# Altium PCB fMAX_MB.PcbDoc (part 5 of 13) (continued)
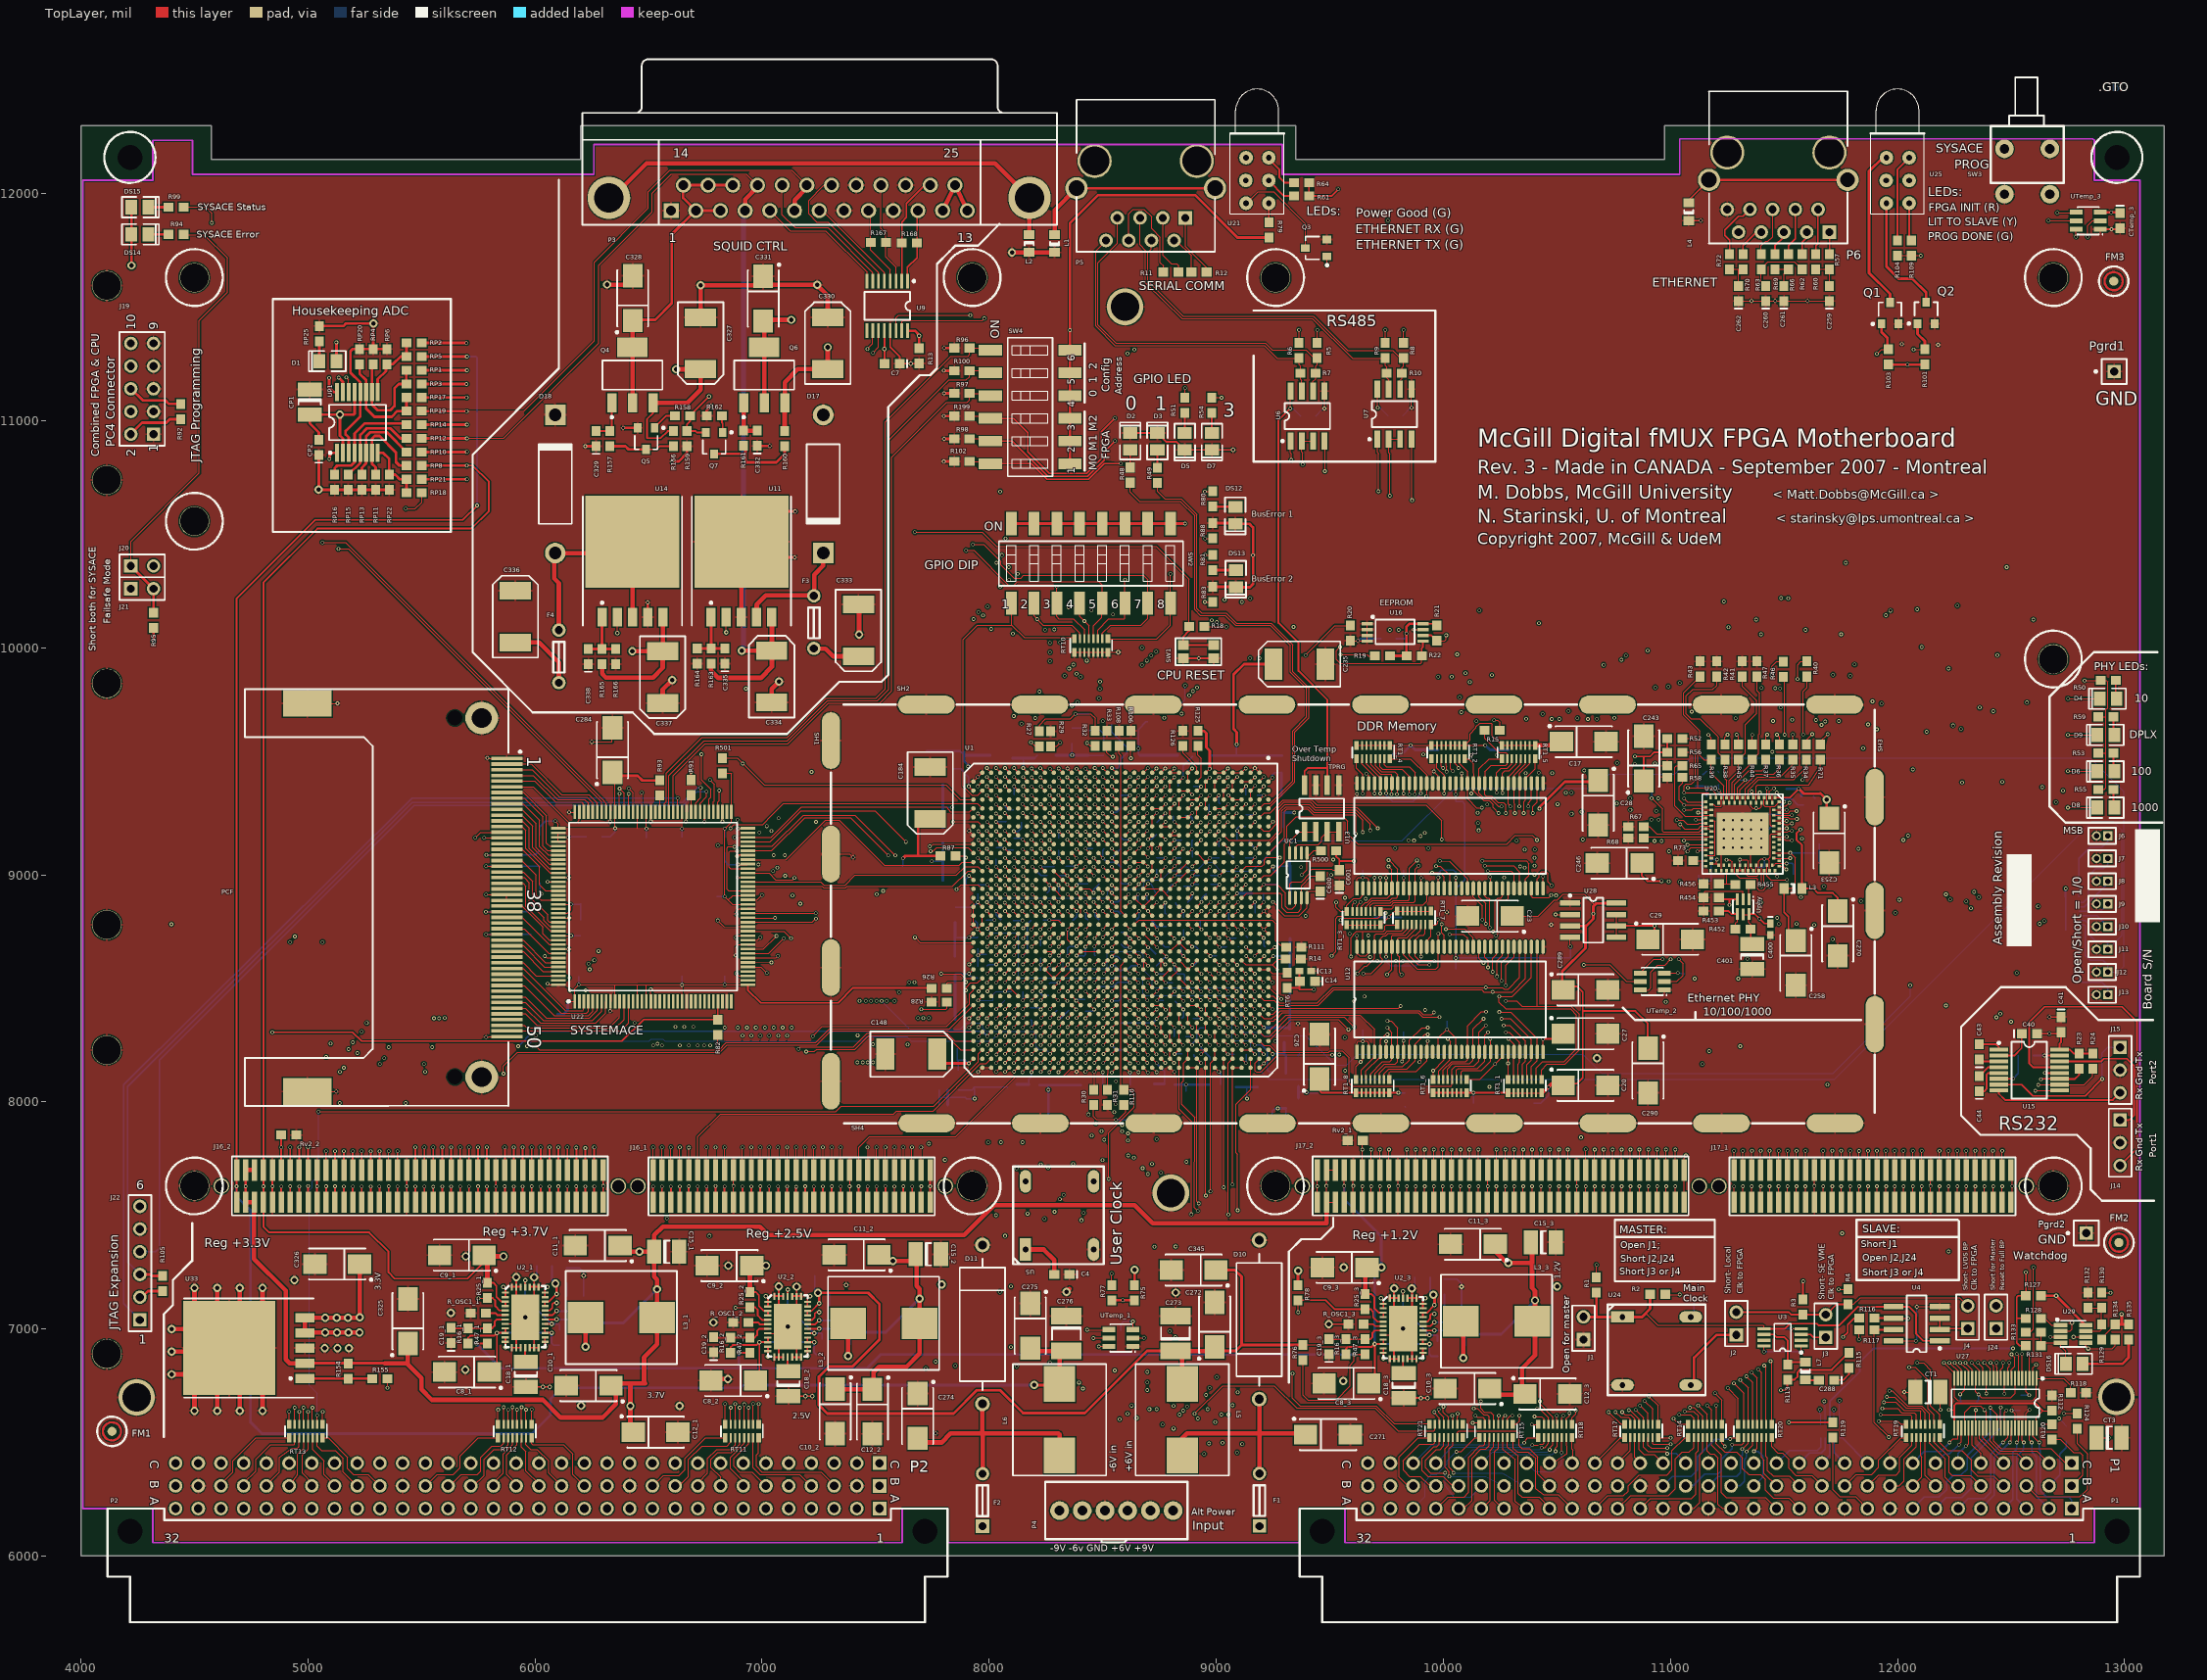
[diagram p0: TopLayer view]
## Nets (pads, with @x,y where several pads share a name; then routed paths per layer and width w, separated by ;. In a path a pad name is that pad's centre, name@x,y a point inside that pad or via, vN(x,y) a via of type N, cw(c..) or ccw(c..) an arc to the next point about the centre after c; other vN are vias at no path point) (continued)
  MidLayer3 w5: v1(7641,8253) v1@7642.76,8253 ; v1@7642.76,8251.24 7666.64,8227.36 7998.03,8227.36 8010.83,8240.16 8010.83,8252.95 8025.59,8267.72 8366.14,8267.72 8384,8285.57 v1(8384,8289)
  MidLayer5 w5: v1(7621.89,7627.89) 7621.89,7699.89 7641,7719 v1(7641,8253)
M1_COMB4_DATA5: J16_1.8 U1.AA30 | length 1256
  TopLayer w5: J16_1.8@7621.89,7700 v1(7621.89,7799.89) ; v1(8424,8289) 8442.2,8307.2 U1.AA30@8442.2,8307.87
  MidLayer3 w5: v1(7621.89,7799.89) 7621.89,7801.02 7660.43,7839.57 8159.45,7839.57 8442.91,8123.03 8442.91,8270.09 v1(8424,8289) v1@8423.6,8289
M1_COMB4_DATA6: J16_1.9 U1.W25 | length 1878.4
  TopLayer w5: J16_1.9@7582.52,7558.27 v1(7582.52,7627.48) ; v1(8503,8487) 8520.72,8504.72 U1.W25@8520.94,8504.72
  MidLayer1 w5: v1(7603,8483) 7629,8509 8481,8509 v1(8503,8487)
  MidLayer5 w5: v1(7582.52,7627.48) 7582.52,7699.52 7603,7720 v1(7603,8483)
M1_COMB4_DATA7: J16_1.10 U1.Y26 | length 1675.8
  TopLayer w5: J16_1.10@7582.52,7700 v1(7583,7800) ; v1(8461,8445) 8481.35,8465.35 U1.Y26@8481.57,8465.35
  MidLayer1 w5: v1(7583,8445) 7583,8456 7593,8466 8440,8466 v1(8461,8445)
  MidLayer5 w5: v1(7583,7800) v1(7583,8445)
M1_COMB4_DATA8: J16_1.11 U1.AE33 | length 1484.8
  TopLayer w5: v1(8267,8172) U1.AE33@8284.72,8189.72
  TopLayer w8: J16_1.11@7543.15,7558.27 v1@7543.15,7627.85
  MidLayer5 w5: v1(7488,8174) 7564,8098 7564,7721 7543,7700 v1(7543,7629)
  MidLayer4 w5: v1(7488,8174) 7488,8158 7493,8153 8248,8153 v1(8267,8172)
M1_COMB4_DATA9: J16_1.12 U1.AE34 | length 1368.5
  TopLayer w5: J16_1.12@7543.15,7700 v1(7543.15,7799.85) ; v1(8265,8131) 8284.39,8150.39 U1.AE34@8284.72,8150.39
  MidLayer3 w5: v1(7465,8174) 7528,8111 8245,8111 v1(8265,8131)
  MidLayer5 w5: v1(7465,8174) 7543.15,8095.85 v1(7543.15,7799.85)
M1_COMB4_DATA10: J16_1.13 U1.AC32 | length 1605.7
  TopLayer w5: v1@8346,8212 8363.13,8229.13 U1.AC32@8363.46,8229.13
  TopLayer w8: J16_1.13@7503.78,7558.27 v1(7503.78,7627.78)
  MidLayer5 w5: v1(7443,8174) 7490,8127 7497.86,8127 7523,8101.86 7523,7719 7503.78,7699.78 v1(7503.78,7627.78)
  MidLayer4 w5: v1(7443,8174) 7461,8192 8326,8192 v1(8346.69,8212.69)
M1_COMB4_DATA11: J16_1.14 U1.AC33 | length 1518.9
  TopLayer w5: J16_1.14@7503.78,7700 v1(7503.78,7799.78) ; v1(8345,8171) 8363.46,8189.46 U1.AC33@8363.46,8189.76
  MidLayer5 w5: v1(7419,8174) 7503.78,8089.22 v1(7503.78,7799.78)
  MidLayer4 w5: v1(7419,8174) 7450,8143 7918,8143 7950,8111 8234,8111 8246,8123 8246,8134 8265,8153 8327,8153 v1(8345,8171)
M1_COMB4_DATA12: J16_1.15 U1.AC29 | length 1745.2
  TopLayer w5: v1(8345,8329) 8363.24,8347.24 U1.AC29@8363.46,8347.24
  TopLayer w8: J16_1.15@7464.41,7558.27 v1(7464.41,7627.41)
  MidLayer5 w5: v1(7464.41,7627.41) 7464.41,7699.59 7485,7720.18 7485,8086 7397,8174 7397,8179 7409,8191 7467,8191 7489,8213 v1(7489,8254)
  MidLayer4 w5: v1(7489,8254) 7489,8287 7511,8309 8325,8309 v1(8345,8329)
M1_COMB4_DATA13: J16_1.16 U1.AC30 | length 1633.2
  TopLayer w5: v1(7464,7800) J16_1.16@7464.41,7700 ; v1(8345,8290) 8362.87,8307.87 U1.AC30@8363.46,8307.87
  MidLayer5 w5: v1(7421,8293) 7387,8259 7387,8169.86 7464,8092.86 v1(7464,7800)
  MidLayer4 w5: v1(7421,8293) 7476,8238 7494.44,8238 7497.44,8241 7583,8241 7612,8270 8325,8270 v1(8345,8290)
M1_COMB4_DATA14: J16_1.17 U1.AD34 | length 1315.4
  TopLayer w5: v1(8305,8131) 8324.09,8150.09 U1.AD34@8324.09,8150.39
  TopLayer w8: J16_1.17@7425.04,7558.27 v1(7425.04,7627.96)
  MidLayer2 w5: v1(7425.04,7627.96) 7406,7647 7406,7804 7418,7816 7613.08,7816 7908.08,8111 8285,8111 v1(8305,8131)
M1_COMB4_DATA15: J16_1.18 U1.AC34 | length 1184.3
  TopLayer w5: J16_1.18@7425.04,7700 7425.04,7799.96 7473.08,7848 7853,7848 8118,8113 8326,8113 U1.AC34@8363.39,8150.39 ; U1.AC34@8363,8151 U1.AC34@8363.39,8150.39 ; U1.AC34@8363.46,8150.39 U1.AC34@8363.39,8150.39
M1_COMB4_S0: J16_1.21 U1.AA26 | length 1891.3
  TopLayer w5: v1(8425,8485) 8442.13,8465.29 8442.2,8465.2 U1.AA26@8442.2,8465.35
  TopLayer w8: J16_1.21@7346.3,7558.27 v1(7346.3,7627.7)
  MidLayer3 w5: v1(7549,8445) 7570,8466 8406,8466 v1(8425,8485)
  MidLayer5 w5: v1@7346.7,7627.7 7366,7647 7366,8262 v1(7549,8445)
  MidLayer6 w5: v1@7549,8443.13 v1(7549,8445)
M1_COMB4_S1: J16_1.22 U1.AE32 | length 1742.2
  TopLayer w5: J16_1.22@7346.3,7700 v1(7346.3,7799.7) ; v1(8268,8212) 8284.72,8228.72 U1.AE32@8284.72,8229.13
  MidLayer5 w5: v1(7346.3,7799.7) 7346.3,7814.8 7356,7824.5 7356,8267.42 7526,8437.42 v1(7526,8445)
  MidLayer6 w5: v1(7526,8445) v1@7526,8447.26
  BottomLayer w5: v1(7526,8445) 7650.5,8320.5 7873.5,8320.5 7901,8348 7958,8348 7972,8334 7972,8324 7986,8310 8191,8310 8207,8294 8207,8244 8220,8231 8249,8231 v1(8268,8212)
M1_DEMODA_DATA0: J16_2.3 U1.T23 | length 3557.7
  TopLayer w5: U1.T23@8639.06,8583.46 8639.06,8582.94 v1(8657,8565)
  TopLayer w8: J16_2.3@6260.63,7558.27 v1(6260.63,7627.63)
  MidLayer1 w5: v1(6280,8664) 8558,8664 v1(8657,8565)
  MidLayer5 w5: v1(6260.63,7627.63) 6260.63,7699.63 6280,7719 v1(6280,8664)
M1_DEMODA_DATA1: J16_2.4 U1.U23 | length 3360.1
  TopLayer w5: U1.U23@8599.69,8583.46 8601.54,8583.46 v1(8620,8565)
  TopLayer w8: J16_2.4@6260.63,7700 v1(6260.63,7799.63)
  MidLayer1 w5: v1(6260.63,8623.63) 6970.37,8623.63 7000,8594 7871,8594 7901,8624 8561,8624 v1(8620,8565)
  MidLayer5 w5: v1(6260.63,7799.63) v1(6260.63,8623.63)
M1_DEMODA_DATA2: J16_2.5 U1.R26 | length 3622
  TopLayer w5: U1.R26@8678.43,8465.35 8678.65,8465.35 v1(8697,8447)
  TopLayer w8: J16_2.5@6221.26,7558.27 v1(6221.26,7627.26)
  MidLayer2 w5: v1(6241,8584) 8630,8584 8637,8577 8637,8560 8650,8547 8664,8547 8678,8533 8678,8477 8697,8458 v1(8697,8447)
  MidLayer5 w5: v1(6221.26,7627.26) 6221.26,7699.74 6241,7719.48 v1(6241,8584)
M1_DEMODA_DATA3: J16_2.6 U1.T26 | length 3267.1
  TopLayer w5: U1.T26@8639.06,8465.35 8639.06,8464.94 v1(8657,8447)
  TopLayer w8: J16_2.6@6221.26,7700 v1(6221.26,7796.74)
  MidLayer2 w5: v1(6223,8491) 6248,8466 8625,8466 v1(8657,8447)
  MidLayer5 w5: v1(6221.26,7796.74) 6221.26,8489.26 v1(6223,8491)
M1_DEMODA_DATA4: J16_2.7 U1.T24 | length 3555.5
  TopLayer w5: U1.T24@8639.06,8544.09 8639.06,8543.94 v1(8658,8525)
  TopLayer w8: J16_2.7@6181.89,7558.27 v1(6181.89,7627.89)
  MidLayer1 w5: v1(6236,8608) 6253,8608 6277,8584 8579,8584 8617,8546 8637,8546 v1(8658,8525)
  MidLayer5 w5: v1(6181.89,7627.89) 6181.89,7699.89 6201,7719 6201,8492 6219,8510 6219,8591 v1(6236,8608)
M1_DEMODA_DATA5: J16_2.8 U1.T25 | length 3431.6
  TopLayer w5: U1.T25@8639.06,8504.72 8639.06,8503.94 v1(8658,8485)
  TopLayer w8: J16_2.8@6181.89,7700 v1(6181.89,7798.89)
  MidLayer2 w5: v1(6151,8546) 8623,8546 8638,8531 8638,8517 8644,8511 v1(8658,8485)
  MidLayer5 w5: v1(6151,8546) 6151,8522 6181.89,8491.11 v1(6181.89,7798.89)
M1_DEMODA_DATA6: J16_2.9 U1.R27 | length 3618.6
  TopLayer w5: U1.R27@8678.43,8425.98 8679.02,8425.98 v1(8698,8407)
  TopLayer w8: J16_2.9@6142.52,7558.27 v1(6142.52,7627.48)
  MidLayer2 w5: v1(6154,8491) 6194,8491 6211,8508 6230,8508 6253,8485 6253,8479 6826,8479 6856,8509 8623,8509 8637,8495 8637,8481 8651,8467 8668,8467 8678,8457 8678,8427 v1(8698,8407)
  MidLayer5 w5: v1(6142.52,7627.48) 6142.52,7699.48 6162,7718.96 6162,8483 v1(6154,8491)
M1_DEMODA_DATA7: J16_2.10 U1.R28 | length 3273.5
  TopLayer w5: U1.R28@8678.43,8386.61 v1(8698,8367)
  TopLayer w8: J16_2.10@6142.52,7700 v1(6142.52,7799.48)
  MidLayer1 w5: v1(6142.52,7799.48) 6142.52,7815.52 6149,7822 7729,7822 v1(7735,7816)
  MidLayer3 w5: v1(7735,8369) 7754,8388 8677,8388 v1(8698,8367)
  MidLayer5 w5: v1(7735,7816) v1(7735,8369)
M1_DEMODA_DATA8: J16_2.11 U1.P29 | length 3659.6
  TopLayer w5: U1.P29@8717.8,8347.24 v1(8737,8328)
  TopLayer w8: J16_2.11@6103.15,7558.27 v1(6103.15,7627.85)
  MidLayer1 w5: v1(6103.15,7627.85) 6103.15,7699.85 6123,7719.7 6123,7826 6129,7832 7761.86,7832 7851.86,7742 8237.57,7742 8244,7735.57 8244,7683 8327,7600 v1(8327,7591)
  MidLayer3 w5: v1(8327,7591) 8510,7591 8717,7798 8717,8308 v1(8737,8328)
M1_DEMODA_DATA9: J16_2.12 U1.R29 | length 3396.6
  TopLayer w5: U1.R29@8678.43,8347.24 8678.76,8347.24 v1(8699,8327)
  TopLayer w8: J16_2.12@6103.15,7700 v1(6103.15,7799.85)
  MidLayer1 w5: v1(6103.15,7799.85) 6103.15,7834.15 6111,7842 7766,7842 7856,7752 8241.72,7752 8260,7733.72 v1(8260,7711)
  MidLayer3 w5: v1(8260,7711) 8615,7711 8676,7772 8676,8304 v1(8699,8327)
M1_DEMODA_DATA10: J16_2.13 U1.N32 | length 4111.4
  TopLayer w5: U1.N32@8757.17,8229.13 8757.17,8228.83 v1(8776,8210)
  TopLayer w8: J16_2.13@6063.78,7558.27 v1(6063.78,7627.78)
  MidLayer1 w5: v1(6063.78,7627.78) 6063.78,7699.78 6084,7720 6084,7845 6091,7852 7770.15,7852 7857.15,7765 8242.86,7765 8279.02,7728.84 8279.02,7662.98 8389,7553 8389,7474 8400,7463 8788,7463 8890,7565 8890,7635 8795,7730 8795,8191 v1(8776,8210)
M1_DEMODA_DATA11: J16_2.14 U1.P32 | length 3655.1
  TopLayer w5: U1.P32@8717.8,8229.13 8717.8,8228.2 v1(8736,8210)
  TopLayer w8: J16_2.14@6063.78,7700 v1(6063.78,7799.78)
  MidLayer1 w5: v1(6063.78,7799.78) 6063.78,7856.78 6069,7862 7774.29,7862 7861.29,7775 8247,7775 8289.02,7732.98 8289.02,7669.98 8406,7553 8406,7525 8399,7518 8399,7486 v1(8406,7479)
  MidLayer5 w5: v1(8406,7479) 8754,7827 8754,8192 v1(8736,8210)
M1_DEMODA_DATA12: J16_2.15 U1.P30 | length 3841.5
  TopLayer w5: U1.P30@8717.8,8307.87 8718.13,8307.87 v1(8737,8289)
  TopLayer w8: J16_2.15@6024.41,7558.27 v1(6024.41,7627.59)
  MidLayer1 w5: v1(6024.41,7627.59) 6024.41,7699.59 6044,7719.18 6044,7867 6049,7872 7778.43,7872 7865.43,7785 8251.43,7785 8299.02,7737.41 8299.02,7676.98 8416,7560 v1@8416,7512
  MidLayer5 w5: v1(8416,7511) 8718,7813 8718,8270 v1(8737,8289)
M1_DEMODA_DATA13: J16_2.16 U1.P31 | length 3724.8
  TopLayer w5: U1.P31@8717.8,8268.5 8717.8,8268.2 v1(8736,8250)
  TopLayer w8: J16_2.16@6024.41,7700 v1(6024.41,7799.59)
  MidLayer1 w5: v1(6024.41,7799.59) 6024.41,7871.41 6035,7882 7782.57,7882 7868.57,7796 8254.57,7796 8309.02,7741.55 8309.02,7682.98 8430.06,7561.94 8631.94,7561.94 v1(8757,7687)
  MidLayer2 w5: v1(8736,8250) 8757,8229 v1(8757,7687)
M1_DEMODA_DATA14: J16_2.17 U1.N33 | length 3799.9
  TopLayer w5: U1.N33@8757.17,8189.76 U1.N33@8757.17,8189.76 v1(8775,8172)
  TopLayer w8: J16_2.17@5985.04,7558.27 v1(5985.04,7627.96)
  MidLayer1 w5: v1(5985.04,7627.96) 5985.04,7699.96 6004,7718.92 6004,7877 6019,7892 7786.72,7892 7872.72,7806 8258.72,7806 8319.02,7745.69 8319.02,7687.98 8435,7572 8612,7572 8759,7719 8759,8156 v1(8775,8172)
M1_DEMODA_DATAX: J16_2.18 U1.P34 | length 3318.2
  TopLayer w5: U1.P34@8717.8,8150.39 8717.8,8150.2 v1(8737,8131)
  TopLayer w8: J16_2.18@5985.04,7700 v1(5985.04,7799.96)
  MidLayer1 w5: v1(5985.04,7799.96) 5985.04,7872.19 6014.85,7902 7790.86,7902 7864.86,7828 7865,7828 7871,7822 v1@7994.93,7822 ; v1(8737,7836.61) v1(8737,8131)
  Power1 w5: v1@7994.93,7822 7994.93,7822.69 8010.83,7838.58 8414.37,7838.58 8438.98,7813.98 8714.36,7813.98 v1(8737,7836.61)
  other v1: 7995.08,7821.85
M1_DEMODA_S0: J16_2.19 U1.R34 | length 3796.1
  TopLayer w5: U1.R34@8678.43,8150.39 8678.61,8150.39 v1(8699,8130)
  TopLayer w8: J16_2.19@5945.67,7558.27 v1(5945.67,7627.67)
  MidLayer1 w5: v1(5945.67,7627.67) 5945.67,7699.67 5965,7719 5965,7866.29 6010.71,7912 7795,7912 7869,7838 8240.86,7838 8329.02,7749.84 8329.02,7692.98 8440,7582 8479,7582 8505,7608 8505,7674 8513,7682 v1(8699,7682)
  MidLayer2 w5: v1(8699,7682) v1(8699,8130)
M1_DEMODA_S1: J16_2.20 U1.R31 | length 3781.7
  TopLayer w5: U1.R31@8678.43,8268.5 8678.5,8268.5 v1(8699,8248)
  TopLayer w8: J16_2.20@5945.67,7700 v1(5945.67,7799.67)
  MidLayer1 w5: v1(5945.67,7799.67) 5945.67,7861.1 6006.57,7922 7801.26,7922 7869,7854 7869.26,7854 7875.26,7848 8245,7848 8339.02,7753.98 8339.02,7698.98 8446,7592 8474,7592 8495,7613 8495,7683 8504,7692 8683,7692 v1(8717,7726)
  MidLayer2 w5: v1(8699,8248) 8717,8230 v1(8717,7726)
M1_DEMODB_DATA0: J16_1.50 U1.AK32 | length 2077.3
  TopLayer w5: J16_1.50@6795.12,7700 v1(6795.12,7799.88) ; v1(8070,8212) 8087.13,8229.13 U1.AK32@8087.87,8229.13
  Power3 w5: v1@8070,8211.73 v1(8070,8212)
  MidLayer3 w5: v1(6744.1,8248.03) 6881.57,8110.55 7318.23,8110.55 7412.4,8204.72 7518.08,8204.72 7591.8,8131 7912.5,8131 7941.1,8159.61 7995.24,8159.61 8024.61,8188.98 8047.24,8188.98 8070,8211.73 v1(8070,8212)
  MidLayer5 w5: v1@6747,8246 6795.12,8197.88 v1(6795.12,7799.88)
M1_DEMODB_DATA1: J16_1.51 U1.AK33 | length 2245.2
  TopLayer w5: v1(8070,8172) 8087.76,8189.76 U1.AK33@8087.87,8189.76
  TopLayer w8: J16_1.51@6755.75,7558.27 v1(6755.75,7627.75)
  Power1 w5: v1@8069.64,8172 v1(8070,8172)
  MidLayer5 w5: v1@6718,8245 6776,8187 6776,7794 6755.75,7773.75 v1(6755.75,7627.75)
  MidLayer6 w5: v1(6716.53,8248.03) 6716.54,8208.66 6834.65,8090.55 8031.5,8090.55 8051.18,8110.24 8051.18,8153.54 v1@8069.64,8172
M1_DEMODB_DATA2: J16_1.52 U1.AK34 | length 2561.3
  TopLayer w5: J16_1.52@6755.75,7700 v1(6755.75,7799.75) ; v1(8070,8132) 8087.87,8149.87 U1.AK34@8087.87,8150.39
  MidLayer1 w5: v1@6767,7410 8022,7410 8050,7410 v1(8070,7410)
  MidLayer5 w5: v1(6755.75,7799.75) 6736,7780 6736,7441 v1@6767,7410 ; v1(8070,7410) 8070,7697 v1(8070,8132)
  other v1: 6768,7410
M1_DEMODB_DATA3: J16_1.53 U1.AM32 | length 1618.9
  TopLayer w5: v1(7991,8211) U1.AM32@8009.13,8229.13
  TopLayer w8: J16_1.53@6716.38,7558.27 v1(6716.38,7627.62)
  MidLayer4 w5: v1(6716.38,7627.62) 6716.38,7640.59 7278.54,8202.76 7982.76,8202.76 v1(7991,8211)
M1_DEMODB_DATA4: J16_1.54 U1.AM33 | length 1581.5
  TopLayer w5: J16_1.54@6716.38,7700 6716.38,7846.38 6817,7947 7579.87,7947 7592.52,7959.65 7753.94,7959.65 7962,8167.71 7962,8168 7987,8168 8008.76,8189.76 U1.AM33@8009.13,8189.76
M1_DEMODB_DATA5: J16_1.55 U1.AJ31 | length 2267.7
  TopLayer w5: v1(8109,8250) 8127.24,8268.24 U1.AJ31@8127.24,8268.5
  TopLayer w8: J16_1.55@6677.01,7558.27 v1(6677.01,7627.99)
  MidLayer5 w5: v1(6677.01,7627.99) 6677.01,7698.99 6697,7718.98 v1@6697,8328
  MidLayer6 w5: v1(6696.85,8330.71) 6758.24,8330.71 6795.28,8330.71 6858.27,8267.72 7188.98,8267.72 7228.35,8228.35 8087.6,8228.35 8109,8249.75 v1(8109,8250)
M1_DEMODB_DATA6: J16_1.56 U1.AJ32 | length 2204.7
  TopLayer w5: J16_1.56@6677.01,7700 v1(6677.01,7798.99) ; v1(8108,8210) 8127.13,8229.13 U1.AJ32@8127.24,8229.13
  MidLayer3 w5: v1@6677.17,8244.09 v1(6677.16,8248.03) 6696.85,8267.72 6811.02,8267.72 6958.19,8120.55 7313.46,8120.55 7408.46,8215.55 7521.39,8215.55 7595.95,8141 7908.35,8141 7936.96,8169.61 7991.09,8169.61 8011.81,8190.32 8011.81,8213.58 8026.57,8228.35 8089.65,8228.35 v1(8108,8210)
  MidLayer5 w5: v1(6677.01,7798.99) v1@6677.01,8246
M1_DEMODB_DATA7: J16_1.57 U1.AB22 | length 2714.6
  TopLayer w5: v1(8385,8605) U1.AB22@8402.83,8622.83
  TopLayer w8: J16_1.57@6637.64,7558.27 v1(6637.64,7627.36)
  MidLayer5 w5: v1(6637.64,7627.36) 6637.64,7679.64 6657,7699 v1@6657,8328
  Gnd3 w5: v1(6657.48,8330.71) 6657.48,8354.33 6728.35,8425.2 6968.5,8425.2 7007.87,8464.57 7401.57,8464.57 7421.26,8484.25 7578.74,8484.25 7602.36,8507.87 8353.35,8507.87 8362.2,8516.73 8362.2,8527.56 8381.89,8547.24 8389.76,8547.24 8401.57,8559.06 8401.57,8588.43 v1(8385,8605)
M1_DEMODB_DATA8: J16_1.58 U1.AB23 | length 2511.3
  TopLayer w5: J16_1.58@6637.64,7700 v1(6637.64,7799.36) ; v1(8385,8566) 8402.46,8583.46 U1.AB23@8402.83,8583.46
  MidLayer5 w5: v1(6637.64,7799.36) 6637.64,8245.64 v1@6638,8246
  Gnd3 w5: v1(6637.8,8248.03) 6637.8,8350.39 6732.28,8444.88 6968.5,8444.88 7007.87,8484.25 7401.57,8484.25 7421.26,8503.94 7578.74,8503.94 7618.11,8543.31 8362.2,8543.31 v1@8385.83,8566.93
M1_DEMODB_DATA9: J16_1.59 U1.AL33 | length 2344.5
  TopLayer w5: v1(8030,8171) 8048.5,8189.5 U1.AL33@8048.5,8189.76
  TopLayer w8: J16_1.59@6598.27,7558.27 v1(6598.27,7627.73)
  MidLayer5 w5: v1(6598.27,7627.73) 6598.27,7680.27 6619,7701 v1@6619,8329
  MidLayer6 w5: v1(6618.11,8330.71) 6618.11,8326.77 6657.48,8287.4 6787.4,8287.4 6974.25,8100.55 7958.82,8100.55 8029.27,8171 v1(8030,8171)
M1_DEMODB_DATA10: J16_1.60 U1.AL34 | length 2534.4
  TopLayer w5: J16_1.60@6598.27,7700 v1(6598.27,7799.73) ; v1(8030,8132) 8048.39,8150.39 U1.AL34@8048.5,8150.39
  MidLayer1 w5: v1@6579,7486 6594,7501 v1(8030,7501)
  MidLayer5 w5: v1(6580,7487) 6580,7781.46 v1(6598.27,7799.73) ; v1(8030,7501) v1(8030,8132)
M1_DEMODB_DATA11: J16_1.61 U1.AM31 | length 2024.7
  TopLayer w5: v1(7992,8251) 8009.13,8268.13 U1.AM31@8009.13,8268.5
  TopLayer w8: J16_1.61@6558.9,7558.27 v1(6558.9,7627.1)
  MidLayer3 w5: v1(6558.9,7627.1) 6558.9,7674.06 6629.84,7745 v1(7805,7745)
  MidLayer5 w5: v1(7805,7745) 7963.43,7903.43 7963.43,8009.02 7934.06,8038.39 7934.06,8194.88 7990.17,8251 v1(7992,8251)
M1_DEMODB_DATA12: J16_1.62 U1.AL31 | length 2152.4
  TopLayer w5: J16_1.62@6558.9,7700 v1(6558.9,7799.9) ; v1(8031,8251) U1.AL31@8048.5,8268.5
  Power1 w5: v1(6559.06,8248.03) 6594.49,8283.46 6818.9,8283.46 6915.2,8379.76 7651.73,8379.76 7681.1,8350.39 7777.92,8350.39 7856.66,8271.65 8011.81,8271.65 8031,8252.46 v1(8031,8251)
  MidLayer5 w5: v1(6558.9,7799.9) v1@6558.9,8246.9
M1_DEMODB_DATA13: J16_1.63 U1.AJ30 | length 2320.1
  TopLayer w5: v1(8110,8290) 8127.24,8307.24 U1.AJ30@8127.24,8307.87
  TopLayer w8: J16_1.63@6519.53,7558.27 v1(6519.53,7627.47)
  Gnd2 w5: v1(6539.37,8255.91) 6539.37,8263.78 6547.24,8271.65 8090.55,8271.65 8108.9,8290 v1(8110,8290)
  MidLayer5 w5: v1(6519.53,7627.47) 6519.53,7679.53 6539,7699 v1(6539.37,8255.91)
M1_DEMODB_DATA14: J16_1.64 U1.AH30 | length 2467.6
  TopLayer w5: J16_1.64@6519.53,7700 v1(6519.53,7799.47) ; v1(8149,8290) 8166.61,8307.61 U1.AH30@8166.61,8307.87
  MidLayer5 w5: v1(6519.53,7799.47) v1@6519.53,8246.47
  Gnd3 w5: v1(6519.69,8248.03) 6618.11,8149.61 8188.98,8149.61 8208.66,8169.29 8208.66,8251.97 8188.98,8271.65 8167.35,8271.65 v1(8149,8290)
M1_DEMODB_DATAX: J16_1.49 U1.AK31 | length 1894.9
  TopLayer w5: v1(8069,8250) 8069.88,8250 U1.AK31@8087.6,8267.72
  TopLayer w8: J16_1.49@6795.12,7558.27 v1(6795.12,7629.88)
  MidLayer5 w5: v1(8051,7822) 8051,8231.12 8069,8249.12 v1(8069,8250)
  MidLayer4 w5: v1(6795.12,7629.88) 6795.12,7675.04 6835.63,7715.55 7944.55,7715.55 v1(8051,7822)
M1_DEMODB_S0: J16_1.47 U1.AF29 | length 2503.8
  TopLayer w5: v1(8226,8328) 8245.24,8347.24 U1.AF29@8245.35,8347.24
  TopLayer w8: J16_1.47@6834.49,7558.27 v1(6834.49,7627.51)
  Power1 w5: v1(6771.65,8248.03) 6921.26,8098.43 8228.35,8098.43 8244.09,8114.17 8244.09,8307.09 8226,8325.18 v1(8226,8328)
  MidLayer5 w5: v1@6773,8247 6812,8208 6812,7702 6834.49,7679.51 v1(6834.49,7627.51)
M1_DEMODB_S1: J16_1.48 U1.AF30 | length 2140
  TopLayer w5: J16_1.48@6834.49,7700 v1(6834.49,7799.51) ; v1(8227,8290) 8244.87,8307.87 U1.AF30@8245.35,8307.87
  Power1 w5: v1(6834.65,8326.77) 6897.64,8389.76 8173.23,8389.76 8208.66,8354.33 8208.66,8308.34 v1(8227,8290)
  MidLayer5 w5: v1(6834.49,7799.51) v1@6834.49,8327.51
M1_POWER_DATA0: J16_2.67 U1.AG18 | length 4379.5
  TopLayer w5: v1(8185,8760) 8205.31,8780.31 U1.AG18@8205.98,8780.31
  TopLayer w8: J16_2.67@5000.79,7558.27 v1(5000.79,7628.79)
  MidLayer1 w5: v1(5000.79,7628.79) 5000.79,7699.79 5018,7717 5018,8700 ; 5074,8756 7916,8756 7929,8744 8168,8744 v1(8185,8760)
  MidLayer1 w6: 5018,8700 5074,8756
M1_POWER_DATA1: J16_2.68 U1.AG17 | length 4272.6
  TopLayer w5: v1(8185,8840) 8205.32,8819.68 U1.AG17@8205.98,8819.68
  TopLayer w8: J16_2.68@5000.79,7700 v1(5000.79,7799.21)
  MidLayer1 w5: v1(5000.79,7799.21) 5000.79,8701.79 ; 5068,8769 7924,8769 7974,8819 8164,8819 v1(8185,8840)
  MidLayer1 w6: 5000.79,8701.79 5068,8769
M1_POWER_DATA2: J16_2.69 U1.AE17 | length 4536.4
  TopLayer w5: v1(8265,8840) 8284.72,8820.28 U1.AE17@8284.72,8819.68
  TopLayer w8: J16_2.69@4961.42,7558.27 v1(4961.42,7627.58)
  MidLayer1 w5: v1(4961.42,7627.58) 4961.42,7699.58 4981,7719.16 4981,8702 ; 5061,8782 7867,8782 7943,8858 8247,8858 v1(8265,8840)
  MidLayer1 w6: 4981,8702 5061,8782
M1_POWER_DATA3: J16_2.70 U1.AE16 | length 4423
  TopLayer w5: v1(8265,8880) 8265,8878.78 U1.AE16@8284.72,8859.06
  TopLayer w8: J16_2.70@4961.42,7700 v1(4961.42,7799.58)
  MidLayer1 w5: v1(4961.42,7799.58) 4961.42,8701.42 5058,8798 6087,8798 6133,8844 7184,8844 7238,8898 8247,8898 v1(8265,8880)
M1_POWER_DATA4: J16_2.71 U1.AJ19 | length 4388.9
  TopLayer w5: v1(8110.24,8720.47) 8125.94,8740.94 U1.AJ19@8127.24,8740.94
  TopLayer w8: J16_2.71@4922.05,7558.27 v1(4922.05,7627.95)
  MidLayer1 w5: 4922,7700 4942,7720 v1(4942,8728) ; v1(4922.05,7627.95) 4922.05,7699.95
  MidLayer2 w5: v1(4942,8728) 5748,8728 5772,8704 8089,8704 v1(8110.24,8720.47)
M1_POWER_DATA5: J16_2.72 U1.AK19 | length 4217.5
  TopLayer w5: v1(8070,8723) U1.AK19@8087.87,8740.94 U1.AK19@8087.87,8740.94
  TopLayer w8: J16_2.72@4922.05,7700 v1(4922.05,7799.95)
  MidLayer1 w5: v1(4922,8704) v1(4922.05,7799.95) ; v1(5064,8704) 6153,8704 6195,8746 7912,8746 7951,8707 8049,8707 8065,8723 v1(8070,8723)
  MidLayer2 w5: v1(4922,8704) v1(5064,8704)
M1_POWER_DATA6: J16_2.73 U1.AJ17 | length 4555.3
  TopLayer w5: v1(8105,8840) 8125.32,8819.68 U1.AJ17@8127.24,8819.68
  TopLayer w8: J16_2.73@4882.68,7558.27 v1(4882.68,7627.68)
  MidLayer1 w5: v1(4882.68,7627.68) 4882.68,7699.68 4902,7719 4902,8787
  MidLayer1 w6: 4902,8787 4934,8819 6067,8819 6143,8895 6201,8895 6223,8873 v1(7168,8873)
  MidLayer2 w5: 7292,8819 8084,8819 v1(8105,8840)
  MidLayer2 w6: v1(7168,8873) 7238,8873 7292,8819
M1_POWER_DATA7: J16_2.74 Rv2_2.2 U1.AH17 | length 4544.6
  TopLayer w5: v1(8145,8840) 8165.32,8819.68 U1.AH17@8166.61,8819.68
  TopLayer w8: J16_2.74@4882.68,7700 Rv2_2.2@4882.68,7852.86
  MidLayer1 w5: v1(4882.68,7799.68) 4882.68,8786.68
  MidLayer1 w6: 4882.68,8786.68 4930,8834 5752,8834 5774,8856 5795,8856 5815,8836 6065.61,8836 6137.61,8908 6208,8908 6229,8887 7113,8887 v1(7134,8908)
  MidLayer2 w5: 7270.39,8859 8125,8859 v1@8144,8840
  MidLayer2 w6: v1(7134,8908) 7221.39,8908 7270.39,8859
  MidLayer2 w8: v1@8144,8840 v1(8145,8840)
M2_AUX0: J17_1.41 U1.AL1 | length 6144.3
  TopLayer w5: v1(8030,9470) 8048.5,9451.5 U1.AL1@8048.5,9449.61 ; J17_1.41@11712.6,7558.27 v1@11712.6,7627.4
  MidLayer1 w5: 8027.53,9607.39 10884.39,9607.39 10884.39,9608 11054.43,9608 11130.43,9684 11256,9684 11286,9714 11705.29,9714 v1(11742.13,9677.17) ; 8028.14,9608 8016,9595.86 8016,9484 v1(8030,9470)
  MidLayer5 w5: v1(11713,7628) 11713,7653 11732,7672 11732,7787.12 11819,7874.12 11819,8807.14 11763.78,8862.36 11763.78,9654.53 v1@11742.13,9676.18
M2_AUX1: J17_1.42 U1.AK1 | length 5890.4
  TopLayer w5: v1(8070,9470) 8087.87,9452.13 U1.AK1@8087.87,9449.61 ; J17_1.42@11712.6,7700 v1@11712.6,7784.4
  MidLayer1 w5: v1(8070,9470) 8070,9539 8086,9555 8422.95,9555 8427.95,9550 8448,9550 8485.39,9587.39 9055.61,9587.39 9084,9559 9096,9559 9124.39,9587.39 11062.11,9587.39 11138.72,9664 11297.39,9664 11337.39,9704 11653.28,9704 v1@11681.1,9676.18
  MidLayer5 w5: v1(11682.09,9675.2) 11695.87,9675.2 11751.97,9619.09 11751.97,8860.03 11809,8803 11809,7883.8 11713,7787.8 v1(11713,7785)
M2_AUX2: J17_2.21 U1.U3 | length 4561.4
  TopLayer w5: U1.U3@8599.69,9370.87 8600.87,9370.87 v1(8620,9390) ; J17_2.21@10666.3,7558.27 v1@10666.3,7627.7
  MidLayer3 w5: v1(8620,9390) 8620,9391.81 8602.36,9409.45 8602.36,9523.62 8652.56,9573.82 8705.71,9573.82 8789.37,9657.48 10361.22,9657.48 10430.12,9726.38 10444.88,9726.38 10455.71,9715.55 10545.28,9715.55 v1(10551.18,9721.46)
  MidLayer5 w5: v1(10551.18,9721.46) 10669.29,9721.46 10692.91,9697.83 10692.91,9184.31 10753.78,9123.45 10753.78,7860.08 10686,7792.3 10686,7672.4 10666.3,7652.7 v1@10666.3,7627.7
  other v1: 10667,7628
M2_AUX3: J17_2.22 U1.U8 | length 4506.6
  TopLayer w5: U1.U8@8599.69,9174.02 8599.69,9174.69 v1(8620,9195) ; J17_2.22@10666.3,7700 v1@10666.3,7789.3
  MidLayer3 w5: v1(8620,9195) 8640.75,9212.6 8714.57,9212.6 8756.89,9254.92 8756.89,9278.54 8770.67,9292.32 8959.65,9292.32 8995.08,9327.76 8995.08,9545.28 9052.01,9602.2 10645.51,9602.2 10676.18,9632.87 v1(10676.18,9687.01)
  MidLayer5 w5: v1(10667,7790) 10667,7792.98 10743.78,7869.76 10743.78,9119.31 10681.1,9181.98 10681.1,9675.2 v1(10676.18,9687.01)
M2_AUX4: J17_2.23 U1.U7 | length 4630.1
  TopLayer w5: U1.U7@8599.69,9213.39 8599.69,9214.69 v1(8620,9235) ; J17_2.23@10626.93,7558.27 v1@10626.93,7627.93
  MidLayer3 w5: v1(8620,9235) 8620,9236.14 8636.81,9252.95 8704.72,9252.95 8719.49,9267.72 8719.49,9286.42 8757.87,9324.8 8757.87,9562.99 8807.09,9612.2 10619.09,9612.2 10636.81,9629.92 v1(10636.81,9686.02)
  MidLayer5 w5: v1@10626.93,7627.93 10626.93,7652.93 10647,7673 10647,7792.67 10733.78,7879.45 10733.78,9115.16 10669.29,9179.65 10669.29,9654.53 v1(10636.81,9686.02)
  other v1: 10627,7628
M2_CLOCK1: J17_1.43 U1.AJ2 | length 6059.8
  TopLayer w5: v1(8110,9430) 8127.24,9412.76 U1.AJ2@8127.24,9410.24 ; J17_1.43@11673.23,7558.27 v1@11673.23,7627.77
  MidLayer1 w5: v1(8110,9430) 8126,9446 8126,9514 8137,9525 8329.86,9525 8353.86,9501 8377,9501 8396,9520 8463,9520 8500.39,9557.39 8619.47,9557.39 8647.86,9529 8667,9529 8695.39,9557.39 9043.18,9557.39 9071.57,9529 9113,9529 9141,9557 9818.72,9557 9841.72,9534 9873,9534 9896.39,9557.39 10146.33,9557.39 10169.72,9534 10200,9534 10223.39,9557.39 11075.39,9557.39 11150.89,9632.89 11308.71,9632.89 11349.82,9674 11418.16,9674 11441.16,9651 11637,9651 11646,9660 v1(11665,9660)
  MidLayer5 w5: v1(11665,9660) 11665,9656.85 11685.04,9636.81 11700.79,9636.81 11740.16,9597.44 11740.16,8857.7 11799,8798.85 11799,7893.49 11693,7787.49 11693,7673 11673,7653 v1(11673,7628)
M2_CLOCK2: J17_1.44 U1.AJ1 | length 5888.7
  TopLayer w5: v1(8110,9470) 8127.24,9452.76 U1.AJ1@8127.24,9449.61 ; J17_1.44@11673.23,7700 v1@11673.23,7783.77
  MidLayer1 w5: v1(8110,9470) 8110,9523 8122,9535 8334,9535 8358,9511 8372,9511 8391,9530 8458,9530 8495.39,9567.39 8623.61,9567.39 8651,9540 8663,9540 8690.39,9567.39 9047.33,9567.39 9075.72,9539 9106,9539 9134.39,9567.39 9134.77,9567 9822.86,9567 9845.86,9544 9867,9544 9890.39,9567.39 10150.47,9567.39 10173.86,9544 10195,9544 10218.39,9567.39 11070.39,9567.39 11146.05,9643.05 11304.73,9643.05 11345.68,9684 11422.3,9684 11444.88,9661.42 11619.58,9661.42 v1(11641,9682)
  MidLayer5 w5: v1(11641,9682) 11641,9660.18 11670.28,9630.91 11670.28,9607.28 11728.35,9549.21 11728.35,8855.37 11789,8794.71 11789,7903.17 v1@11673,7787.17
  other v1: 11673,7785
M2_CLOCK3: J17_2.24 U1.U2 | length 4029.2
  TopLayer w5: U1.U2@8599.69,9410.24 8600.24,9410.24 v1(8620,9430) ; J17_2.24@10626.93,7700 v1(10626.93,7790.93)
  MidLayer1 w5: v1(8620,9430) 8640,9410 8741,9410 8756,9395 8756,9380 8766,9370 9242.05,9370 9285.43,9413.39 9285.43,9456.69 9295.74,9467 9781.44,9467 9810.44,9437.99 9935.66,9437.99 9946.49,9427.17 10063.61,9427.17 10070.5,9420.28 10110.24,9420.28 10128.55,9438.59 10171.87,9438.59 10192.76,9459.47 10266.55,9459.47 10294.48,9487.39 10592.33,9487.39 v1(10620.08,9459.65)
  MidLayer5 w5: v1@10620,9459.57 v1(10620.08,9459.65) 10658.46,9421.26 10658.46,9176.34 10723.78,9111.02 10723.78,7893.07 10626.93,7796.22 v1(10626.93,7790.93)
M2_COMB1_DATA0: J17_2.49 U1.Y3 | length 5204.9
  TopLayer w5: v1(8465,9390) 8481.57,9373.43 U1.Y3@8481.57,9370.87 ; J17_2.49@10115.12,7558.27 v1@10115.12,7627.88
  MidLayer2 w5: v1(8451,10164) 8451,9569 8446,9564 8446,9409 v1(8465,9390)
  MidLayer5 w5: v1(10115,7628) 10115,7653 10135,7673 10135,8020 10149,8034 10149,8052.77 10135,8066.77 10135,9319.31 10150.37,9334.69 10150.37,9379.96 10190.79,9420.38 10190.79,9540.51 10168.31,9562.99 10168.31,9630.91 10129.92,9669.29 10129.92,9688.98 10158.46,9717.52 v1@10158.46,10165.35
  MidLayer4 w5: v1(8451,10164) v1(10159,10164)
M2_COMB1_DATA1: J17_2.50 U1.Y2 | length 4151.1
  TopLayer w5: v1(8465,9430) 8481.57,9413.43 U1.Y2@8481.57,9410.24 ; J17_2.50@10115.12,7700 v1@10115.12,7789.88
  MidLayer1 w5: v1(8483,9777) 8858,9777 8864,9771 10054.13,9771.65 10062.01,9771.65 v1(10072.83,9782.48)
  MidLayer5 w5: v1(8465,9430) 8483,9448 v1(8483,9777) ; v1(10072.83,9782.48) 10060.04,9769.69 10060.04,9657.48 10157.48,9560.04 10157.48,9559.68 10180.79,9536.37 10180.79,9424.52 10139.76,9383.5 10139.76,9338.22 10125,9323.46 10125,8060 10115,8050 10115,8034.61 10125,8024.61 10125,7810.04 10115,7800.04 v1(10115,7790)
M2_COMB1_DATA2: J17_2.51 U1.AA5 | length 3631.4
  TopLayer w5: v1(8425,9310) 8442.2,9292.8 U1.AA5@8442.2,9292.13 ; J17_2.51@10075,7558.27 v1(10075,7628)
  MidLayer5 w5: v1(10075,7628) 10075,7652 10096,7673 10096,7796.79 10115,7815.79 10115,8020.46 10102.36,8033.1 10102.36,8054.29 10115,8066.93 ; 10115,8065 10115,9327.6 10119,9331.6 10119,9332 10123,9336 v1(10123,9358)
  MidLayer4 w5: v1(8425,9310) 8446,9331 8446,9356 8460,9370 9213.5,9370 9243.5,9400 10093,9400 10123,9370 v1(10123,9358)